# Altium PCB TPS552882_PCB.PcbDoc
Units mil, origin at the board's own origin, x right, y up, seen from the top; angles counter-clockwise.
Board outline 800 x 2135 mil, 2 copper layers (Top Layer, Bottom Layer); 31 components, 21 nets, 105 pads, 56 vias.
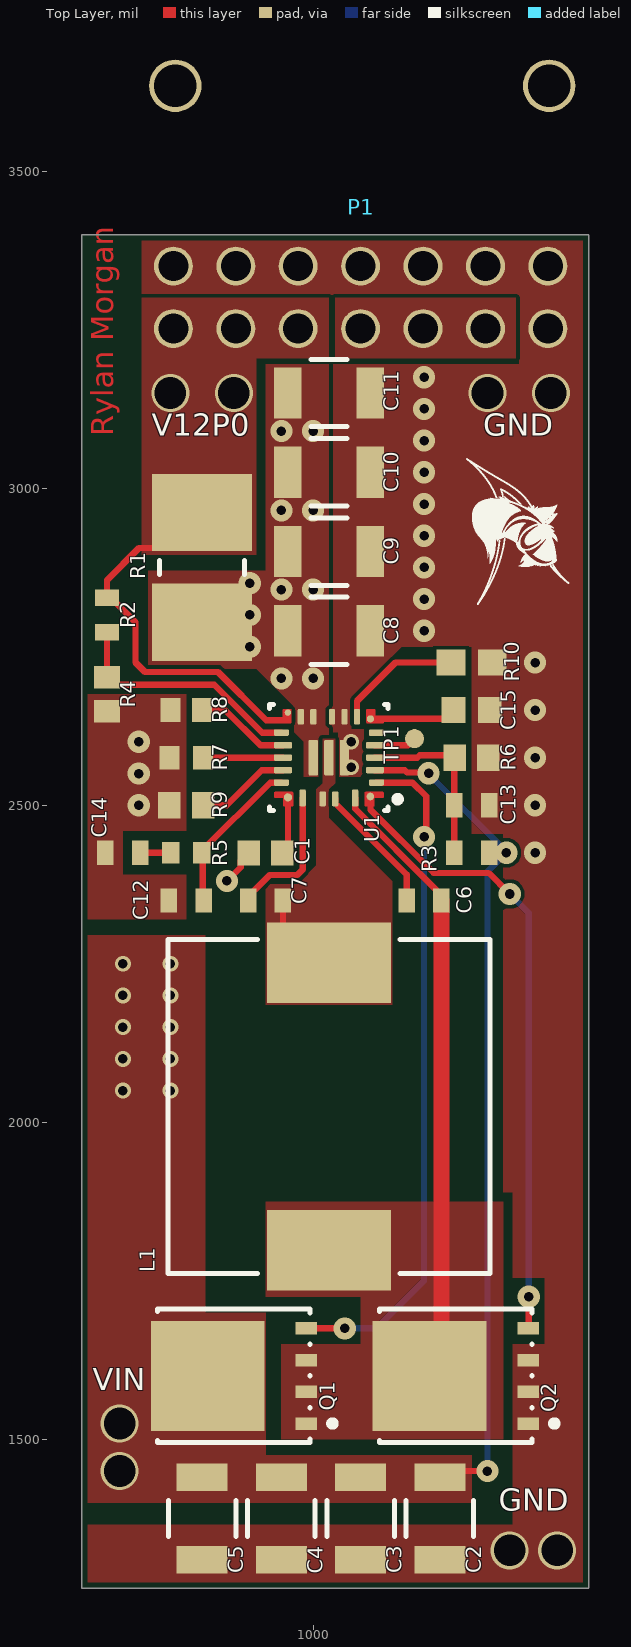
[diagram p0: Top Layer view]
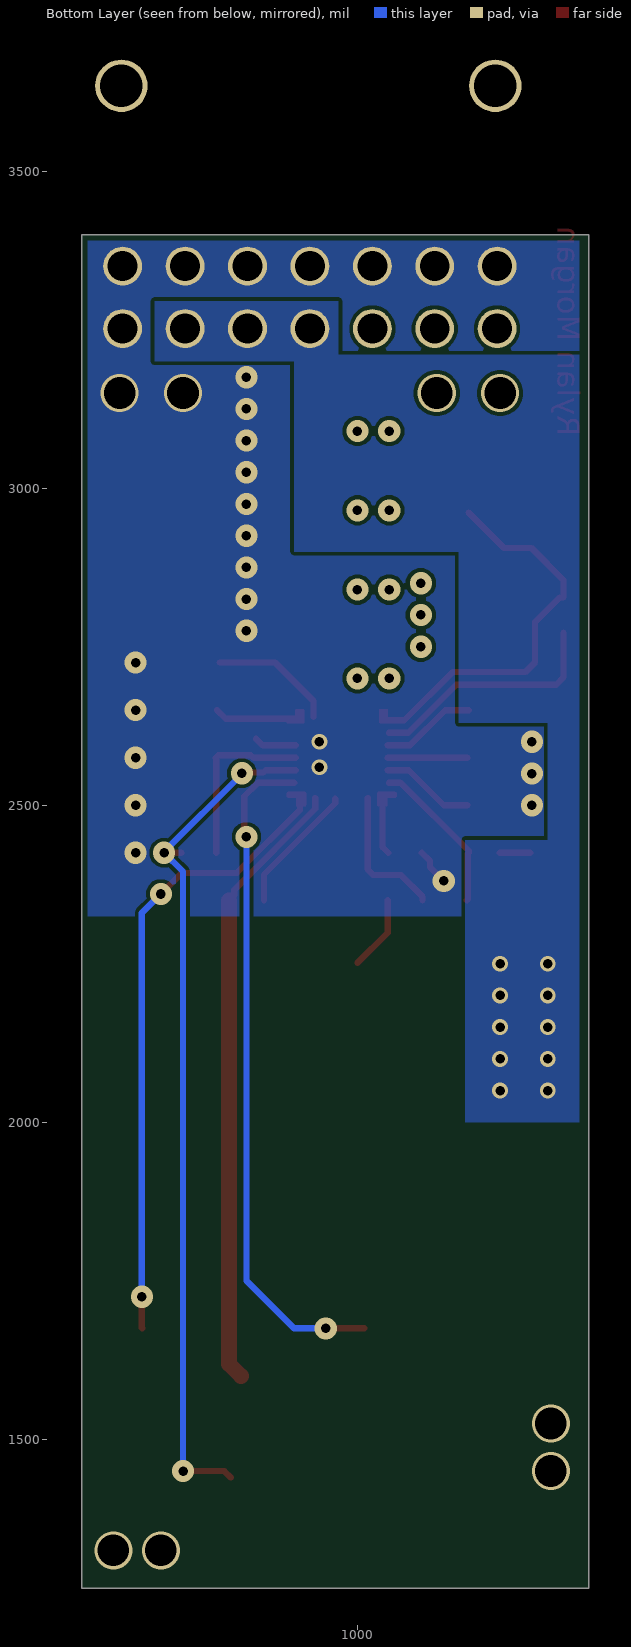
[diagram p1: Bottom Layer view, seen from below]

## Layer stack, top to bottom
Top Solder: solder mask 0.4, Solder Resist, Dk 3.5
Top Layer: signal copper 1.4
Dielectric 1: dielectric 12.6, FR-4, Dk 4.8
Bottom Layer: signal copper 1.4
Bottom Solder: solder mask 0.4, Solder Resist, Dk 3.5

## Board outline
635,1265 635,3400 1435,3400 1435,1265

## Design rules (kind name [scope] priority, off if disabled: settings)
AssemblyTestPointUsage [All] p1: isadvanced=TRUE
AssemblyTestpoint [All] p1: isadvanced=TRUE testpointundercomponent=TRUE minsize=40 maxsize=100 preferedsize=60 minholesize=0 maxholesize=40 preferedholesize=32 testpointgrid=1 usegrid=TRUE gridtolerance=0.01 allowsidetop=TRUE allowsidebottom=TRUE
Clearance Clearance_1 [All] p1: isadvanced=TRUE gap=6 ignorepadtopadclearanceinfootprint=FALSE except(0: Arc-Hole Track-Hole SMDPad-Hole THPad-Hole Via-Hole Fill-Hole Poly-Hole Region-Hole Text-Hole Hole-Hole)
Clearance Clearance_1 [OnMid vs OnMid] p2: gap=10 ignorepadtopadclearanceinfootprint=FALSE sourcerule=42 cellrowname=All cellrowtype=0 cellcolname=All cellcoltype=0 innerlayers=TRUE
Clearance Clearance_2 [(ExistsOnLayer('Top Layer') Or ExistsOnLayer('Bottom Layer')) vs (ExistsOnLayer('Top Layer') Or ExistsOnLayer('Bottom Layer'))] p3: gap=10 ignorepadtopadclearanceinfootprint=FALSE sourcerule=42 cellrowname=All cellrowtype=0 cellcolname=All cellcoltype=0 outerlayers=TRUE
Clearance [All] p4: gap=10 ignorepadtopadclearanceinfootprint=FALSE ismatrix=TRUE
ComponentClearance [All] p1: isadvanced=TRUE gap=10 collisioncheckmode=3 verticalgap=10 showdistances=FALSE
FabricationTestPointUsage [All] p1: isadvanced=TRUE valid=0 allowmultiple=FALSE
FabricationTestpoint [All] p1: isadvanced=TRUE side=3 testpointundercomponent=TRUE minsize=40 maxsize=100 preferedsize=60 minholesize=0 maxholesize=40 preferedholesize=32 testpointgrid=1 allowsidetop=TRUE allowsidebottom=TRUE usegrid=TRUE gridtolerance=0.01
FanoutControl Fanout_BGA [IsBGA] p1: isadvanced=TRUE bgadir=Out bgaviamode=Centered fanoutstyle=Auto fanoutdirection=Alternating viagrid=1 // Fanout_BGA (Default Rule)
FanoutControl Fanout_LCC [IsLCC] p2: isadvanced=TRUE bgadir=Out bgaviamode=Centered fanoutstyle=Auto fanoutdirection=Alternating viagrid=1 // Fanout_LCC (Default Rule)
FanoutControl Fanout_SOIC [IsSOIC] p3: isadvanced=TRUE bgadir=Out bgaviamode=Centered fanoutstyle=Auto fanoutdirection=Alternating viagrid=1 // Fanout_SOIC (Default Rule)
FanoutControl Fanout_Small [(CompPinCount < 5)] p4: isadvanced=TRUE bgadir=Out bgaviamode=Centered fanoutstyle=Auto fanoutdirection=OutThenIn viagrid=1 // Fanout_Small (Default Rule)
FanoutControl Fanout_Default [All] p5: isadvanced=TRUE bgadir=Out bgaviamode=Centered fanoutstyle=Auto fanoutdirection=Alternating viagrid=1 // Fanout_Default (Default Rule)
Height [All] p1: isadvanced=TRUE minheight=0 maxheight=1000 prefheight=500
HoleSize [All] p1: isadvanced=TRUE absolutevalues=TRUE maxlimit=100 minlimit=1 maxpercent=80.000 minpercent=20.000
HoleToHoleClearance [All] p1: isadvanced=TRUE gap=10 allowstackedmicrovias=TRUE
LayerPairs [All] p1: isadvanced=TRUE enforce=TRUE
MinimumSolderMaskSliver [All] p1: isadvanced=TRUE minsoldermaskwidth=10
NetAntennae [All] p1: isadvanced=TRUE netantennaetolerance=0
PasteMaskExpansion [All] p1: isadvanced=TRUE expansion=0
PlaneClearance [All] p1: isadvanced=TRUE clearance=20
PlaneConnect [All] p1: isadvanced=TRUE planeconnectstyle=Relief reliefexpansion=20 reliefentries=4 reliefconductorwidth=10 reliefairgap=10
PolygonConnect [All] p1: connectstyle=Direct reliefconductorwidth=10 reliefentries=4 polygonreliefangle="90 Angle" airgapwidth=10
RoutingCorners [All] p1: isadvanced=TRUE cornerstyle=45-Degree minsetback=100 maxsetback=100
RoutingPriority [All] p1: isadvanced=TRUE routingpriority=0
RoutingVias RoutingViaStyle_1 [All] p1: isadvanced=TRUE holewidth=15 width=35 viastyle="Through Hole" minholewidth=10 minwidth=25 maxholewidth=50 maxwidth=60
RoutingVias [All] p2: holewidth=28 width=50 viastyle="Through Hole" minholewidth=28 minwidth=50 maxholewidth=28 maxwidth=50
ShortCircuit [All] p1: isadvanced=TRUE allowed=FALSE
SilkToSilkClearance [All] p1: isadvanced=TRUE silktosilkclearance=10
SilkToSolderMaskClearance [IsPad] p1: isadvanced=TRUE minsilkscreentomaskgap=10 clearancetoexposedcopper=TRUE
SolderMaskExpansion [All] p1: isadvanced=TRUE expansion=4 istentingtop=FALSE
SupplyNets "Schematic Supply Nets_2" [InNet('GND')] p1: isadvanced=TRUE voltage=0.000
SupplyNets "Schematic Supply Nets_1" [InNet('V12P0')] p2: isadvanced=TRUE voltage=0.000
SupplyNets "Schematic Supply Nets" [InNet('VIN')] p3: isadvanced=TRUE voltage=0.000
UnRoutedNet [All] p1: isadvanced=TRUE
UnpouredPolygon [All] p1: isadvanced=TRUE
Width MaxMinWidth_1 [All] p1: isadvanced=TRUE maxlimit=100 minlimit=8 preferedwidth=10 minimp=50.000000 maximp=50.000000 favimp=50.000000
Width [All] p2: maxlimit=10 minlimit=10 preferedwidth=10
4 further rules are at their usual default settings.

## Components (designator, comment, footprint, x,y, rotation, side; value= is the part's Value field where it differs from the comment)
C1 "4.7uF" CAPC1608X87X35NL15T15 925,2425 r0 top
C2 "22uF" FP-GRM32E-0_3-0_2-MFG 1200,1375 r270 top
C3 "22uF" FP-GRM32E-0_3-0_2-MFG 1075,1375 r270 top
C4 "22uF" FP-GRM32E-0_3-0_2-MFG 950,1375 r270 top
C5 "22uF" FP-GRM32E-0_3-0_2-MFG 825,1375 r270 top
C6 "100nF" 0603 1175,2350 r0 top
C7 "100nF" 0603 925,2350 r0 top
C8 "22uF" FP-GRM32E-0_3-0_2-MFG 1025,2775 r0 top
C9 "22uF" FP-GRM32E-0_3-0_2-MFG 1025,2900 r0 top
C10 "22uF" FP-GRM32E-0_3-0_2-MFG 1025,3025 r0 top
C11 "22uF" FP-GRM32E-0_3-0_2-MFG 1025,3150 r0 top
C12 "100nF" 0603 800,2350 r180 top
C13 "1uF" 0603 1250,2500 r180 top
C14 "100nF" 0603 700,2425 r180 top
C15 "10nF" CAPC1608X90X35ML10T15 1250,2650 r180 top
L1 "4.7uH" FP-IHLP-5050EZ-FP_3_226x4-MFG 1025,2025 r90 top
P1 "14-Pin 2-Row Nano-Fit Right Angle" "MOLEX NANO-FIT 2X7 - Right Angle" 1370.28,3350 r180 top
Q1 "BSC0702LSATMA1" FP-PG-TDSON-8-MFG 875,1600 r90 top
Q2 "BSC0702LSATMA1" FP-PG-TDSON-8-MFG 1225,1600 r90 top
R1 "0.003R" FP-CRE2512-R001-R004-MFG 825,2875 r90 top
R2 "100K" 0603 675,2800 r270 top
R3 "100K" 0603 1250,2425 r180 top
R4 "11K" RESC1609X50X30ML10T20 675,2675 r90 top
R5 "1K" RESC1608X55X30LL15T15 800,2425 r0 top
R6 "11K" RESC1609X50X30ML10T20 1250,2575 r180 top
R7 "150K" RESC1608X55X30NL15T15 800,2575 r180 top
R8 "6K19" RESC1609X50X30NL10T20 800,2650 r0 top
R9 "20K" RESC1609X50X30ML10T20 800,2500 r180 top
R10 "49K9" RESC1609X55X30ML10T20 1250,2725 r180 top
TP1 "Test Point Pad" "Test Point Pad" 1160,2605 r180 top
U1 "TPS552882QRPMRQ1" FP-RPM0026A-MFG 1025,2575 r180 top

## Footprints (in the part's own frame and the unit in brackets; to place one, negate y for a bottom-side part, rotate by r counter-clockwise, add the part's x,y. Pads: shape width x height; smd on the part's side, far side on the other; paste and mask are expansions set on the pad)
0603 [mil]
  rect 26x38 smd: 1(-27.5,0) 2(27.5,0)
  body extent 0,0 10,10, height 10
CAPC1608X87X35NL15T15 [mm] "Chip Capacitor, 2-Leads, Body 1.60x0.80mm, IPC Medium Density"
  rect 0.9x1 smd: 1(-0.675,0) 2(0.675,0)
  body extent -0.87,-0.48 0.87,0.47, height 0.87
CAPC1608X90X35ML10T15 [mm] "Chip Capacitor, 2-Leads, Body 1.7x0.9mm, IPC Low Density"
  rect 0.95x1.05 smd: 1(-0.725,0) 2(0.725,0)
  body extent -0.85,-0.45 0.85,0.45, height 0.9
FP-CRE2512-R001-R004-MFG [mm]
  rect 3.1x4 smd paste+0 mask+0: 1(-2.2,0) 2(2.2,0)
  silkscreen extent -0.28,-1.7 0.28,1.7, body extent -3.85,-2.1 3.85,2.1, height 0.25
FP-GRM32E-0_3-0_2-MFG [mm]
  rect 1.1x2.05 smd paste+0 mask+0: 1(-1.65,0) 2(1.65,0)
  silkscreen extent -0.72,-1.35 0.72,1.35, body extent -2.3,-1.45 2.3,1.45, height 0.25
FP-IHLP-5050EZ-FP_3_226x4-MFG [mil]
  rect 127.01x195 smd paste+0 mask+0: 1(-226.5,0) 2(226.5,0)
  silkscreen extent -264,-254 264,254, body extent -294,-258 294,258, height 10
FP-PG-TDSON-8-MFG [mm]
  rect 0.5x0.85 smd paste-1000 mask+0: 1(-1.905,-2.9) 2(-0.635,-2.9) 3(0.635,-2.9) 4(1.905,-2.9)
  rect 4.41x4.55 smd paste-1000 mask-1000: 5-6-7-8(0,1.05)
  silkscreen extent -2.68,-4.08 2.68,3.05, body extent -3,-3.42 3,3.42, height 0.25
FP-RPM0026A-MFG [mm]
  round 0.306 smd paste+0 mask+0: 1(-1.661,1.555)
  rrect40% 0.6x0.25 smd paste+0 mask+0: 2(-1.9,1) 6(-1.9,-1) 14(1.9,-1) 18(1.9,1)
  rrect40% 0.725x0.25 smd paste+0 mask+0: 3(-1.837,0.5) 4(-1.837,0) 5(-1.837,-0.5) 15(1.837,-0.5) 16(1.837,0) 17(1.837,0.5)
  round 0.29 smd paste+0 mask+0: 7(-1.661,-1.554)
  rrect40% 0.25x0.625 smd paste+0 mask+0: 8(-1.125,-1.637) 9(-0.625,-1.637) 10(-0.125,-1.637) 11(0.625,-1.637) 12(1.125,-1.637)
  round 0.259 smd paste+0 mask+0: 13(1.644,-1.805)
  round 0.332 smd paste+0 mask+0: 19(1.641,1.591)
  rrect40% 0.25x0.675 smd paste+0 mask+0: 20(1.05,1.613) 23(-1.05,1.613)
  rrect40% 0.25x0.6 smd paste+0 mask+0: 21(0.25,1.65) 22(-0.25,1.65)
  rrect27% 0.375x1.425 smd paste+0 mask+0: 24(-0.625,0) 25(0,0) 26(0.625,0)
  Top Layer region: 2.2,-1.549 2.2,-1.424 2.193,-1.399 2.175,-1.381 2.15,-1.374 2.15,-1.374 1.55,-1.374 1.531,-1.378 1.515,-1.389 1.504,-1.405 1.5,-1.424 1.5,-1.424 1.5,-1.899 1.504,-1.918 1.515,-1.934 1.531,-1.945 1.55,-1.949 1.55,-1.949 1.8,-1.949 1.825,-1.942 1.843,-1.924 1.85,-1.899 1.85,-1.899 1.85,-1.599 2.15,-1.599 2.175,-1.592 2.193,-1.574 2.2,-1.549
  Top Layer region: -2.2,-1.549 -2.2,-1.424 -2.196,-1.405 -2.185,-1.389 -2.169,-1.378 -2.15,-1.374 -2.15,-1.374 -1.55,-1.374 -1.531,-1.378 -1.515,-1.389 -1.504,-1.405 -1.5,-1.424 -1.5,-1.424 -1.5,-1.899 -1.504,-1.918 -1.515,-1.934 -1.531,-1.945 -1.55,-1.949 -1.55,-1.949 -1.8,-1.949 -1.825,-1.942 -1.843,-1.924 -1.85,-1.899 -1.85,-1.899 -1.85,-1.599 -2.15,-1.599 -2.175,-1.592 -2.193,-1.574 -2.2,-1.549
  Top Layer region: 2.2,1.425 2.2,1.55 2.193,1.575 2.175,1.593 2.15,1.6 2.15,1.6 1.825,1.6 1.825,1.9 1.818,1.925 1.8,1.943 1.775,1.95 1.775,1.95 1.475,1.95 1.45,1.943 1.432,1.925 1.425,1.9 1.425,1.9 1.425,1.425 1.429,1.406 1.44,1.39 1.456,1.379 1.475,1.375 1.475,1.375 2.15,1.375 2.169,1.379 2.185,1.39 2.196,1.406 2.2,1.425 2.2,1.425
  Top Layer region: -2.2,1.425 -2.2,1.55 -2.193,1.575 -2.175,1.593 -2.15,1.6 -2.15,1.6 -1.825,1.6 -1.825,1.9 -1.818,1.925 -1.8,1.943 -1.775,1.95 -1.775,1.95 -1.475,1.95 -1.456,1.946 -1.44,1.935 -1.429,1.919 -1.425,1.9 -1.425,1.9 -1.425,1.425 -1.429,1.406 -1.44,1.39 -1.456,1.379 -1.475,1.375 -1.475,1.375 -2.15,1.375 -2.169,1.379 -2.185,1.39 -2.196,1.406 -2.2,1.425
  silkscreen extent -2.88,-2.12 2.37,2.12, body extent -2.3,-2.05 2.3,2.05, height 0.25
"MOLEX NANO-FIT 2X7 - Right Angle" [mm]
  round 1.56 hole 1.2: 1(15,2.5) 2(12.5,2.5) 3(10,2.5) 4(7.5,2.5) 5(5,2.5) 6(2.5,2.5) 7(0,2.5) 8(15,0) 9(12.5,0) 10(10,0) 11(7.5,0) 12(5,0) 13(2.5,0) 14(0,0)
  round 2.1 hole 1.7: ""(-0.05,-7.225) ""(14.925,-7.225)
  body extent -2.68,-26.05 17.53,2.78, height 10.21
RESC1608X55X30LL15T15 [mm] "Chip Resistor, 2-Leads, Body 1.60x0.80mm, IPC High Density"
  rect 0.7x0.85 smd: 1(-0.625,0) 2(0.625,0)
  body extent -0.87,-0.48 0.87,0.48, height 0.55
RESC1608X55X30NL15T15 [mm] "Chip Resistor, 2-Leads, Body 1.60x0.80mm, IPC Medium Density"
  rect 0.8x0.95 smd: 1(-0.675,0) 2(0.675,0)
  body extent -0.87,-0.48 0.87,0.48, height 0.55
RESC1609X50X30ML10T20 [mm] "Chip Resistor, 2-Leads, Body 1.55x0.85mm, IPC Low Density"
  rect 0.9x1.05 smd: 1(-0.675,0) 2(0.675,0)
  body extent -0.82,-0.48 0.82,0.48, height 0.5
RESC1609X50X30NL10T20 [mm] "Chip Resistor, 2-Leads, Body 1.55x0.85mm, IPC Medium Density"
  rect 0.8x0.95 smd: 1(-0.625,0) 2(0.625,0)
  body extent -0.82,-0.48 0.82,0.48, height 0.5
RESC1609X55X30ML10T20 [mm] "Chip Resistor, 2-Leads, Body 1.60x0.85mm, IPC Low Density"
  rect 1.15x1.05 smd: 1(-0.825,0) 2(0.825,0)
  body extent -0.85,-0.48 0.85,0.48, height 0.55
"Test Point Pad" [mil]
  round 30 smd paste-99999: 1(0,0)

## Part data
C1: library part CMP-2006-03238-1, "C0603C475K8PACTU / 4.7uf 0603", Manufacturer=Kemet, Part Number=C0603C475K8PACTU
C2 C3 C4 C5 C8 C9 C10 C11: library part CMP-1662-00021-2, "Chip Multilayer Ceramic Capacitors for General Purpose, 1210, 22uF, X7R, 15%, 10%, 25V / GRM32ER71E226KE15L", Case Code (Imperial)=1210, Case Code (Metric)=3225, Dielectric=X7R, Max Operating Temperature=125°C, Min Operating Temperature=-55°C, Package Quantity=1, Tolerance=10%, VOLTAGE=25V, Capacitance=22uF, Case/Package=1210, Depth=2.5mm, Height=2.5mm, Lead Free="Lead Free", Length=3.2mm, Material=Ceramic, Mount="Surface Mount", Number of Pins=2, Packaging="Tape and Reel", Radiation Hardening=No, REACH SVHC="No SVHC", Termination=SMD/SMT, Thickness=0.106inch, Voltage Rating=25V, Voltage Rating (DC)=25V, Width=0.098inch
C6 C7 C12 C14: library part "100nF 0603", "CAP 100nF 100V ±10% 0603 (1608 Metric) Thickness 1mm SMD", Case-EIA=0603, Case-Metric=1608, Rated Voltage="100 V", Tolerance=Â±10%, ComponentLink1Description=Link, ComponentLink1URL=https://www.digikey.com/en/products/detail/samsung-electro-mechanics/CL10B104KC8NNNC/5961291, Max Thickness="1 mm", Technology=SMT
C13: library part "1uF 0603", "CAP 1uF 25V ±10% 0603 (1608 Metric) Thickness 1mm SMD", Case-EIA=0603, Case-Metric=1608, Rated Voltage="25 V", Tolerance=Â±10%, ComponentLink1Description=Link, ComponentLink1URL=https://www.digikey.com/en/products/detail/samsung-electro-mechanics/CL10B105KA8NNNC/3886842, Max Thickness="1 mm", Technology=SMT
C15: library part CMP-2100-03642-1, "Chip Capacitor, 10 nF, +/- 10%, 50 V, -55 to 125 degC, 0603 (1608 Metric), RoHS, Tape and Reel / GRM188R71H103KA01D", Case Code (Imperial)=0603, Case Code (Metric)=1608, Dielectric=X7R, Dielectric Material=Ceramic, Insulation Resistance=10GR, Manufacturer=Murata, Max Operating Temperature=125degC, Min Operating Temperature=-55degC, Package Description="2-Pin Surface Mount Device, Body 1.6 x 0.8 mm", Package Quantity=1, Tolerance=10%, VOLTAGE=50V, Capacitance=10nF, Case/Package=0603, Datasheet URL=http://search.murata.co.jp/Ceramy/image/img/A01X/G101/ENG/GRM188R71H103KA01-01.pdf, Datasheet Version=42401.0, Depth=0.8mm, Height=0.8mm, Lead Free=LeadFree, Length=1.6mm, Manufacturer URL=http://www.murata.com/, Material=Ceramic, Mount=SurfaceMount, Number of Pins=2, Package Reference=0603, Packaging=TapeandReel, REACH SVHC=Unknown, RoHSCompliant=True, Termination=SMD/SMT, Thickness=0.035inch, Voltage Rating=50V, Voltage Rating (DC)=50V, Width=0.031inch
L1: library part CMP-02424-000658-1, "Commercial Inductors, High Saturation Series 4.7uH 12A 15mΩ 20% / IHLP5050EZER4R7M01", Case/Package=5050, Current Rating=12A, DC Resistance (DCR)=15mR, Inductance Tolerance=20%, Max DC Current=27A, Max Operating Temperature=125°C, Min Operating Temperature=-55°C, Package Quantity=250, Self Resonant Frequency=5MHz, Test Frequency=100kHz, Contact Plating=Tin, Core Material=Ferrite, Depth=12.9mm, Height=5mm, Height - Seated (Max)=0.197inch, Inductance=4.7uH, Lead Free="Lead Free", Length=13.7mm, Military Standard=Not, Mount="Surface Mount", Number of Pins=2, Packaging="Tape and Reel", Radiation Hardening=No, RMS Current (Irms)=12A, Saturation Current=27A, Shielding=Shielded, Termination=SMD/SMT, Tolerance=20%, Width=0.508inch
P1: "NanoFit Right Hdr TH DR 14Ckt", Manufacturer=Molex, Part Number=105314-1214, Supplier Part Number=538-105314-1214, ComponentLink1Description="Mouser Link", ComponentLink1URL=https://www.mouser.com/ProductDetail/Molex/105314-1214?qs=PqFvFmEiOr6wLIXpvlvqbA%3D%3D, ComponentLink2Description=Link, ComponentLink2URL=https://www.digikey.com/en/products/detail/molex/1053141114/7693193, Supplier=Mouser, Supplier 1=Mouser, Supplier Part Number 1=538-105314-1214
Q1 Q2: library part CMP-00196-81703971-1, "BSC0702LSATMA1 Transistor MOSFET N-CH 60V 100A 8-Pin TDSON T/R - Tape and Reel", Continuous Drain Current (ID)=23A, Drain to Source Breakdown Voltage=60V, Drain to Source Resistance=2.3mΩ, Gate to Source Voltage (Vgs)=20V, Max Junction Temperature (Tj)=150°C, Min Operating Temperature=-55°C, Power Dissipation=2.5W, Drain to Source Voltage (Vdss)=60V, Height=1mm, Max Operating Temperature=150°C, NexarPartId=81703971, Number of Channels=1, Turn-Off Delay Time=25ns, Turn-On Delay Time=7.7ns
R1: library part CMP-07231-007668-1, "RES 0.003 OHM 1% 3W 2512 / CRE2512-FZ-R003E-3", Case Code (Imperial)=2512, Case Code (Metric)=6432, Max Operating Temperature=170°C, Max Power Dissipation=3W, Min Operating Temperature=-55°C, Resistance=3mR, Resistance Tolerance=1%, Resistor Type="Metal Alloy", Temperature Coefficient=75ppm/°C, Case/Package=2512, Contact Plating=Tin, Depth=3.35mm, Features="Moisture Resistant", Height=0.035inch, Length=0.254inch, Mount="Surface Mount", Number of Terminations=2, Packaging="Cut Tape", Power Rating=3W, REACH SVHC="No SVHC", RoHS Compliant=No, Series=CRE2512, Technology="METAL STRIP", Termination=Solder, Tolerance=1%, Width=0.132inch
R2 R3: library part "100K 0603", "ERJ-3EKF1003V-100k 0603", Manufacturer=Panasonic, Part Number=ERJ-3EKF1003V, ComponentLink1Description=Link, ComponentLink1URL=https://www.digikey.com/en/products/detail/yageo/RC0603FR-07100KL/726889
R4 R6: library part CMP-2000-03860-1, "CRCW060311K0FKEA / 11k 0603", Manufacturer="Vishay Dale", Part Number=CRCW060311K0FKEA
R5: library part CMP-2000-00180-1, "ERJ-3EKF1001V / 1k 0603", Manufacturer=Panasonic, Part Number=ERJ-3EKF1001V
R7: library part CMP-1012-00754-2, "ERJ-3EKF1503V / 150k 0603", Manufacturer=Panasonic, Part Number=ERJ-3EKF1503V
R8: library part CMP-1012-00600-2, "CRCW06036K19FKEA / 6.19k 0603", Manufacturer="Vishay Dale", Part Number=CRCW06036K19FKEA
R9: library part CMP-1012-00105-2, "CRCW060320K0JNEA / 20k 0603", Manufacturer="Vishay Dale", Part Number=CRCW060320K0JNEA
R10: library part CMP-2000-03772-1, "TNPW060349K9BEEA / 49.9k 0603", Manufacturer="Vishay Dale", Part Number=TNPW060349K9BEEA
TP1: "Test point, Pad, 30 mil"
U1: library part CMP-04918-000720-1, "36-V, 16-A BUCK-BOOST CONVERTER, / TPS552882QWRPMRQ1 or TPS552882QRPMRQ1", RoHS Compliant=Yes

## Via types
v1: diameter 35, hole 15, Top Layer to Bottom Layer, 36 vias
v2: diameter 25, hole 15, Top Layer to Bottom Layer, 12 vias
v3: diameter 60, hole 50, Top Layer to Bottom Layer, 8 vias

## Nets (pads, with @x,y where several pads share a name; then routed paths per layer and width w, separated by ;. In a path a pad name is that pad's centre, name@x,y a point inside that pad or via, vN(x,y) a via of type N, cw(c..) or ccw(c..) an arc to the next point about the centre after c; other vN are vias at no path point)
DR1H: Q1.4 U1.2 | length 1070
  Top Layer w10: Q1.4 v1(1050,1675) ; U1.2 1156.82,2535.63 1178.5,2513.95 1178.5,2453.5 v1(1175,2450)
  Bottom Layer w10: v1(1050,1675) 1100,1675 1175,1750 v1(1175,2450)
DR1L: Q2.4 U1.1 | length 993.3
  Top Layer w10: U1.1 1090.64,2513.54 1090.64,2492.76 1190.16,2393.24 1276.76,2393.24 v1(1310,2360) ; Q2.4 1340,1675.83 v1(1340,1725)
  Bottom Layer w10: v1(1310,2360) 1340,2330 v1(1340,1725)
FB: R2.2 R4.2 U1.14 | length 382.2
  Top Layer w10: R2.2 R4.2 686.57,2690 844.38,2690 920.01,2614.37 U1.14
GND: C1.1 C2.2 C3.2 C4.2 C5.2 C8.2 C9.2 C10.2 C11.2 C12.2 C13.1 C14.2 C15.1 P1.7 P1.8 P1.9 P1.10 P1.11 P1.12 P1.13 P1.14 Q2.1 Q2.2 Q2.3 R4.1 R6.1 R7.2 R8.1 R9.2 R10.1 U1.9 U1.10 U1.24 | length 58.7
  Top Layer w10: v1(864.03,2380.55) 885.71,2402.22 885.71,2412.28 C1.1
  other v1: 1350,2425 725,2500 1350,2500 725,2550 1350,2575 725,2600 1350,2650 1350,2725 1175,2775 1175,2825 1175,2875 1175,2925 1175,2975 1175,3025 1175,3075 1175,3125 1175,3175
  other v2: 1060,2560 1060,2600
  other v3: 1310,1325 1385,1325 1275,3150 1375,3150
NetC1_2: C1.2 U1.19 | length 91
  Top Layer w10: C1.2 960.41,2433.83 U1.19
NetC6_1: C6.1 U1.22 | length 206.7
  Top Layer w10: U1.22 1034.84,2503.31 1147.5,2390.65 C6.1
NetC7_1: C7.1 U1.20 | length 222.7
  Top Layer w10: C7.1 897.5,2356 931.5,2390 975,2390 983.66,2398.66 U1.20
NetC8_1: C8.1 C9.1 C10.1 C11.1 R1.1 U1.11 U1.12 U1.26
  other v1: 950,2700 1000,2700 900,2750 900,2800 950,2840 1000,2840 900,2850 950,2965 1000,2965 950,3090 1000,3090
NetC12_1: C12.1 R5.2 U1.18 | length 249.3
  Top Layer w10: C12.1 826.05,2351.45 826.05,2423.55 R5.2 824.61,2427.95 932.2,2535.55 950.12,2535.55 U1.18
NetC13_2: C13.2 R3.2 R6.2 U1.4 | length 279.8
  Top Layer w10: U1.4 1164.03,2575 1168.03,2579 1219.43,2579 R6.2 1222.5,2574.07 C13.2 R3.2
NetC14_1: C14.1 R5.1 | length 47.9
  Top Layer w10: C14.1 R5.1
NetC15_2: C15.2 U1.7 | length 136.9
  Top Layer w10: U1.7 1207.76,2636.17 1221.46,2649.87 C15.2
NetR7_1: R7.1 U1.16 | length 126.1
  Top Layer w10: R7.1 U1.16
NetR8_2: R8.2 U1.15 | length 151
  Top Layer w10: R8.2 861.75,2650 917.07,2594.68 U1.15
NetR9_1: R9.1 U1.17 | length 149
  Top Layer w10: R9.1 863.72,2500 919.04,2555.32 U1.17
NetR10_2: R10.2 U1.8 | length 198.2
  Top Layer w10: U1.8 1069.37,2639.55 1069.37,2664.37 1130,2725 R10.2
NetTP1_1: TP1.1 U1.5 | length 66.9
  Top Layer w10: U1.5 1149.68,2594.68 TP1.1
SW1: C6.2 L1.1 Q1.1 Q1.2 Q1.3 Q2.5-6-7-8 U1.23 | length 975.7
  Top Layer w10: U1.23 1066.42,2511.44 1066.42,2494.36 1194.5,2366.28 1194.5,2358 C6.2
  Top Layer w25: Q2.5-6-7-8 1202.5,1618.84 C6.2
SW2: C7.2 L1.2 U1.21 U1.25 | length 118.2
  Top Layer w10: C7.2 952.5,2299 L1.2@1000,2251.5
V12P0: P1.1 P1.2 P1.3 R1.2 R2.1 U1.13 | length 634.8
  Top Layer w10: R1.2 768.98,2905.59 725.59,2905.59 675,2855 R2.1 681,2827.5 720,2788.5 720,2725 735,2710 850,2710 926.05,2633.95 957.57,2633.95 960.25,2636.63 960.25,2646.04 U1.13
  other v3: 775,3150 875,3150
VIN: C2.1 C3.1 C4.1 C5.1 P1.4 P1.5 P1.6 Q1.5-6-7-8 R3.1 U1.3 | length 1357.3
  Top Layer w10: U1.3 1144.75,2555.32 1148.44,2551.63 1181.12,2551.63 v1(1182.25,2550.5) ; C2.1 1210.04,1450 v1(1275,1450) ; R3.1 v1(1305,2425)
  Bottom Layer w10: v1(1182.25,2550.5) 1182.25,2549.12 1305,2426.38 v1(1305,2425) 1275,2395 v1(1275,1450)
  other v2: 700,2050 775,2050 700,2100 775,2100 700,2150 775,2150 700,2200 775,2200 700,2250 775,2250
  other v3: 695,1450 695,1525
pads on no net: P1. U1.6

## Polygon pours and split planes (outlines as drawn)
GND on Top Layer "GND_L01_P022" (solid, pour order 22): 1425,3195 1425,3390 730,3390 730,3305 1325,3305 1325,3195
VIN on Top Layer "VIN_L01_P019" (solid, pour order 19): 645,1400 645,2295 830,2295 830,1400
VIN on Top Layer "VIN_L01_P017" (solid, pour order 17): 1035,3205 1035,3300 1320,3300 1320,3205
V12P0 on Top Layer "V12P0_L01_P016" (solid, pour order 16): 730,3195 730,3300 1025,3300 1025,3205 910,3205 910,3195
GND on Top Layer "GND_L01_P014" (solid, pour order 14): 1315,1890 1315,1755 1365,1755 1365,1650 1425,1650 1425,1975 1300,1975 1300,1890
GND on Top Layer "GND_L01_P013" (solid, pour order 13): 645,1365 645,1275 1425,1275 1425,1650 1315,1650 1315,1365
VIN on Top Layer "VIN_L01_P012" (solid, pour order 12): 1250,1400 725,1400 725,1700 925,1700 925,1475 1250,1475
SW1 on Top Layer "SW1_L01_P011" (solid, pour order 11): 950,1650 950,1500 1300,1500 1300,1875 925,1875 925,1725 1075,1725 1075,1650
V12P0 on Top Layer "V12P0_L01_P010" (solid, pour order 10): 910,2895 730,2895 730,3195 910,3195
GND on Top Layer "GND_L01_P009" (solid, pour order 9): 645,2675 800,2675 800,2460 700,2460 700,2390 800,2390 800,2320 645,2320
GND on Top Layer "GND_L01_P008" (solid, pour order 8): 1300,2455 1250,2455 1250,2750 1300,2750
GND on Top Layer "tg" (solid, pour order 7): 1300,1975 1300,2595 1300,2635 1300,2750 1140,2750 1140,3195 1425,3195 1425,1975
GND on Top Layer "GND_L01_P003" (solid, pour order 3): 1060,2620 1080,2620 1080,2545 1040,2545 1040,2615 1025,2615 1025,3195 1150,3195 1150,2760 1060,2670
NetC8_1 on Top Layer "NETC8_1_L01_P002" (solid, pour order 2): 910,2715 740,2715 740,2870 925,2870 925,3195 1025,3195 1025,2545 985,2545 985,2600 970,2615 970,2655
SW2 on Top Layer "SW2_L01_P000" (solid, pour order 0): 1015,2605 1035,2605 1035,2535 1025,2525 1025,2480 1125,2380 1125,2185 925,2185 925,2375 975,2375 1005,2405 1005,2525 1015,2535 1015,2550
VIN on Bottom Layer "VIN_L02_P018" (solid, pour order 18): 840,2900 840,2630 700,2630 700,2300 650,2300 650,3210 1030,3210 1030,3295 1320,3295 1320,3200 1100,3200 1100,2900
VIN on Bottom Layer "VIN_L02_P015" (solid, pour order 15): 650,2445 650,2000 830,2000 830,2445
GND on Bottom Layer "GND_L02_P021" (solid, pour order 21): 650,3390 650,2670 1425,2670 1425,3390
GND on Bottom Layer "GND_L02_P020" (solid, pour order 20): 700,2675 700,2325 1130,2325 1425,2325 1425,3200 1045,3200 1045,2675

## Other copper
Top Layer:
  text "Rylan Morgan" at 696.37,3082 h60 r90

## Silkscreen, mask and mechanical layers (free items; w line width, h text height)
Top Overlay:
  drawing of 10 lines, arcs and shapes, not listed
  text "V12P0" at 745.94,3071.09 h60
  text "GND" at 1268.12,3070.85 h60
  text "VIN" at 652.52,1565.83 h60
  text "GND" at 1293.12,1375.85 h60
Top Solder:
  text "Rylan Morgan" at 696.37,3082 h60 r90
Mechanical 15:
  the board outline again, w10